# KiCad board Leopold Replacement.kicad_pcb (continued)
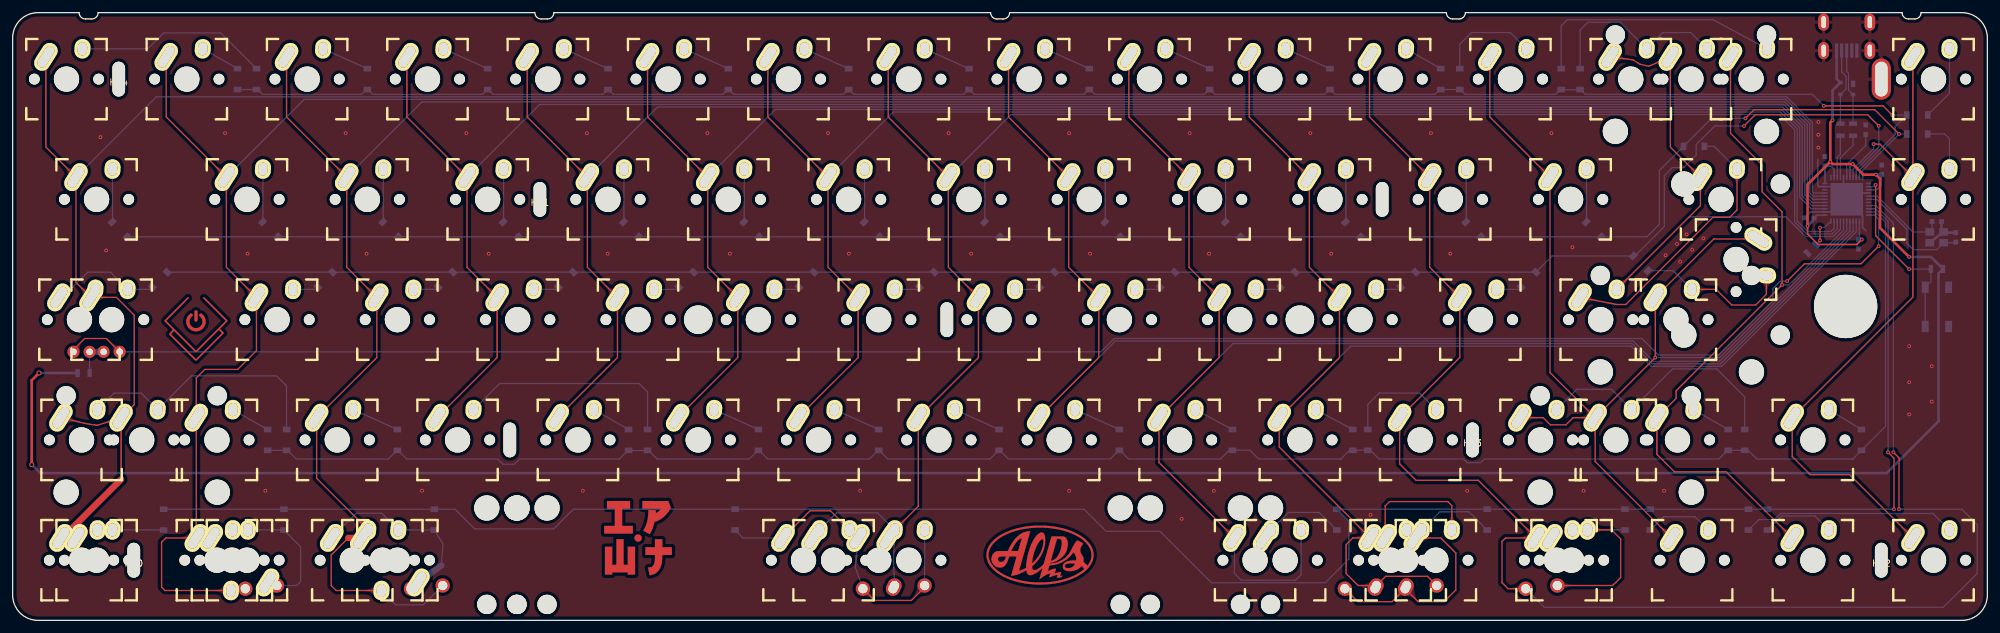
[diagram p0: board, top side]
## Copper pours and planes (outline as drawn; the poured copper is in the pictures) (continued)
Net-(D29-Pad2) on Bottom: 146.67,89.29 145.27,90.77 143.52,90.59 144.55,89.17 146.59,89.11
Net-(D30-Pad2) on Bottom: 153.7,68.55 154.47,70.43 153.6,71.95 152.72,70.43 153.5,68.55
Net-(D31-Pad2) on Bottom: 161.13,52.42 159.25,53.19 157.73,52.32 159.25,51.44 161.13,52.22
Net-(D32-Pad2) on Bottom: 151.42,32.26 150.02,33.74 148.28,33.56 149.3,32.14 151.34,32.08
Net-(D33-Pad2) on Bottom: 165.68,89.29 164.28,90.77 162.53,90.59 163.56,89.17 165.6,89.11
Net-(D34-Pad2) on Bottom: 172.71,68.55 173.49,70.43 172.61,71.95 171.74,70.43 172.51,68.55
Net-(D35-Pad2) on Bottom: 180.14,52.42 178.26,53.19 176.74,52.32 178.26,51.44 180.14,52.22
Net-(D36-Pad2) on Bottom: 170.43,32.26 169.03,33.74 167.29,33.56 168.31,32.14 170.35,32.08
Net-(D37-Pad2) on Bottom: 184.69,89.29 183.29,90.77 181.54,90.59 182.57,89.17 184.61,89.11
Net-(D38-Pad2) on Bottom: 191.72,68.55 192.5,70.43 191.62,71.95 190.75,70.43 191.52,68.55
Net-(D39-Pad2) on Bottom: 199.15,52.42 197.27,53.19 195.75,52.32 197.27,51.44 199.15,52.22
Net-(D40-Pad2) on Bottom: 189.36,32.07 188.07,33.65 186.32,33.6 187.24,32.11 189.26,31.9
Net-(D41-Pad2) on Bottom: 203.7,89.29 202.3,90.77 200.55,90.59 201.58,89.17 203.62,89.11
Net-(D42-Pad2) on Bottom: 210.73,68.55 211.5,70.43 210.63,71.95 209.75,70.43 210.53,68.55
Net-(D43-Pad2) on Bottom: 218.16,52.42 216.28,53.19 214.76,52.32 216.28,51.44 218.16,52.22
Net-(D44-Pad2) on Bottom: 208.37,32.08 207.08,33.65 205.33,33.6 206.25,32.11 208.28,31.9
Net-(D45-Pad2) on Bottom: 222.59,89.04 221.34,90.65 219.59,90.65 220.47,89.13 222.49,88.87
Net-(D46-Pad2) on Bottom: 229.74,68.55 230.51,70.43 229.64,71.95 228.76,70.43 229.54,68.55
Net-(D47-Pad2) on Bottom: 237.17,52.42 235.29,53.19 233.77,52.32 235.29,51.44 237.17,52.22
Net-(D48-Pad2) on Bottom: 222.85,35.2 223.64,33.32 225.33,32.86 224.88,34.56 223,35.34
Net-(D49-Pad2) on Bottom: 237.11,92.23 237.9,90.35 239.59,89.89 239.13,91.59 237.25,92.37
Net-(D50-Pad2) on Bottom: 248.75,68.55 249.53,70.43 248.65,71.95 247.78,70.43 248.55,68.55
Net-(D51-Pad2) on Top: 277.16,51.73 277.93,53.62 277.06,55.14 276.18,53.62 276.96,51.73
Net-(D51-Pad2) on Top: 268.06,52.42 266.18,53.19 264.66,52.32 266.18,51.44 268.06,52.22
Net-(D51-Pad2) on Bottom: 263.25,54.21 264.03,52.33 265.73,51.87 265.27,53.57 263.39,54.35
Net-(D52-Pad2) on Bottom: 253.75,35.2 254.53,33.32 256.22,32.86 255.77,34.56 253.89,35.34
Net-(D52-Pad2) on Bottom: 245.79,35.34 243.91,34.56 243.46,32.86 245.15,33.32 245.93,35.2
Net-(D52-Pad2) on Bottom: 257.67,35.34 255.79,34.56 255.34,32.86 257.03,33.32 257.81,35.2
Net-(D53-Pad2) on Bottom: 256.12,92.23 256.91,90.35 258.6,89.89 258.14,91.59 256.26,92.37
Net-(D53-Pad2) on Bottom: 265.63,92.23 266.41,90.35 268.1,89.89 267.65,91.59 265.77,92.37
Net-(D53-Pad2) on Bottom: 260.05,92.37 258.17,91.59 257.71,89.89 259.4,90.35 260.19,92.23
Net-(D54-Pad2) on Top: 272.51,68.55 273.29,70.43 272.41,71.95 271.54,70.43 272.31,68.55
Net-(D54-Pad2) on Top: 250.37,50.61 248.67,51.73 247.01,51.17 248.34,50.02 250.33,50.42
Net-(D54-Pad2) on Bottom: 270.38,73.22 271.16,71.34 272.85,70.88 272.4,72.58 270.52,73.36
Net-(D55-Pad1) on Top: 15.38,43.83 15.95,42.45 17.24,42.11 16.89,43.4 15.52,43.97
Net-(D55-Pad1) on Top: 10.67,43.97 9.62,43.4 9.27,42.11 10.56,42.45 10.81,43.83
Net-(D55-Pad1) on Bottom: 18.96,42.55 17.58,43.11 16.43,42.45 17.58,41.78 18.96,42.35
Net-(D55-Pad2) on Bottom: 12.46,41.95 13.68,41.78 14.84,42.45 13.68,43.11 12.46,42.95
Net-(D55-Pad2) on Bottom: 14.06,42.95 12.83,43.11 11.67,42.45 12.83,41.78 14.06,41.95
Net-(D55-Pad2) on Bottom: 12.25,40.39 12.82,41.77 12.15,42.92 11.48,41.77 12.05,40.39
Net-(D56-Pad2) on Bottom: 289.34,31.95 288.14,33.59 286.39,33.63 287.23,32.09 289.24,31.78
Net-(D57-Pad2) on Bottom: 274.67,91.57 275.96,89.99 277.71,90.04 276.8,91.53 274.77,91.74
Net-(D58-Pad2) on Bottom: 267.99,32.01 266.74,33.62 264.99,33.62 265.87,32.1 267.89,31.84
Net-(D59-Pad2) on Bottom: 18.55,14.4 16.67,15.17 15.15,14.3 16.67,13.42 18.55,14.2
Net-(D60-Pad2) on Bottom: 44.22,5.61 42.55,6.29 41.19,5.51 42.55,4.72 44.22,5.41
Net-(D60-Pad2) on Bottom: 39.94,14.4 38.06,15.17 36.54,14.3 38.06,13.42 39.94,14.2
Net-(D61-Pad2) on Bottom: 306.08,87.56 306.86,89.44 305.98,90.96 305.11,89.44 305.88,87.56
Net-(D62-Pad2) on Bottom: 305.88,74.1 305.11,72.22 305.98,70.7 306.86,72.22 306.08,74.1
Net-(D63-Pad2) on Bottom: 65.76,7.86 64.24,7.22 63.53,5.62 65.27,5.8 66.35,7.05
Net-(D63-Pad2) on Bottom: 63.7,14.4 61.82,15.17 60.3,14.3 61.82,13.42 63.7,14.2
Net-(D63-Pad2) on Bottom: 58.89,16.19 59.68,14.31 61.37,13.85 60.91,15.55 59.03,16.33
Net-(D63-Pad2) on Bottom: 52.29,15.06 50.41,14.28 49.96,12.58 51.65,13.04 52.43,14.92
Net-(D64-Pad2) on Bottom: 265.83,16.19 266.61,14.31 268.3,13.85 267.85,15.55 265.97,16.33
Net-(D65-Pad2) on Bottom: 284.89,16.19 285.67,14.31 287.36,13.85 286.91,15.55 285.03,16.33
Net-(D66-Pad2) on Bottom: 303.95,16.19 304.73,14.31 306.42,13.85 305.97,15.55 304.09,16.33
Net-(D67-Pad2) on Bottom: 200.69,16.33 198.81,15.55 198.36,13.85 200.05,14.31 200.83,16.19
Net-(D68-Pad2) on Top: 221.79,3.33 221.09,4.99 219.57,5.4 219.98,3.88 221.65,3.18
Net-(D68-Pad2) on Top: 221.79,3.33 221.34,5.49 219.82,5.9 220.23,4.38 221.65,3.18
Net-(D68-Pad2) on Top: 224.36,13.13 222.48,13.9 220.96,13.03 222.48,12.15 224.36,12.93
Net-(D68-Pad2) on Top: 218.29,3.18 219.96,3.88 220.36,5.4 218.84,4.99 218.15,3.33
Net-(D68-Pad2) on Top: 218.29,3.18 220.2,4.38 220.61,5.9 219.09,5.49 218.15,3.33
Net-(D68-Pad2) on Top: 212.28,3.33 211.59,4.99 210.06,5.4 210.47,3.88 212.14,3.18
Net-(D68-Pad2) on Bottom: 224.5,16.33 222.62,15.55 222.17,13.85 223.86,14.31 224.64,16.19
Net-(D69-Pad2) on Top: 246.5,5.61 244.83,6.29 243.47,5.51 244.83,4.72 246.5,5.41
Net-(D69-Pad2) on Top: 251.58,14.4 249.69,15.17 248.18,14.3 249.69,13.42 251.58,14.2
Net-(D69-Pad2) on Bottom: 251.58,14.4 249.69,15.17 248.18,14.3 249.69,13.42 251.58,14.2
Net-(D70-Pad2) on Top: 142.15,3.18 144.06,4.38 144.47,5.9 142.95,5.49 142.01,3.33
Net-(D70-Pad2) on Top: 136.14,3.33 135.45,4.99 133.92,5.4 134.33,3.88 136,3.18
Net-(D70-Pad2) on Top: 123.58,15.06 121.7,14.28 121.24,12.58 122.94,13.04 123.72,14.92
Net-(D70-Pad2) on Top: 130.18,16.19 130.96,14.31 132.66,13.85 132.2,15.55 130.32,16.33
Net-(D70-Pad2) on Bottom: 143.98,7.98 143.29,6.31 144.07,4.94 144.86,6.31 144.18,7.98
Net-(D70-Pad2) on Bottom: 144.19,11.52 144.97,13.4 144.1,14.92 143.22,13.4 143.99,11.52
Net-(D70-Pad2) on Bottom: 133.4,10.25 134.35,12.05 133.63,13.65 132.61,12.22 133.21,10.27
Net-(D70-Pad2) on Bottom: 133.4,7.31 133.31,5.5 134.51,4.47 134.8,6.02 133.59,7.37
Net-(D70-Pad2) on Bottom: 118.91,12.93 120.79,12.15 122.31,13.03 120.79,13.9 118.91,13.13

Small or netless copper shapes (teardrops, artwork), in the pictures only: 33 on Top, 27 on Bottom
